# KiCad board ZX-Spectrum-Keyboard.kicad_pcb (continued)
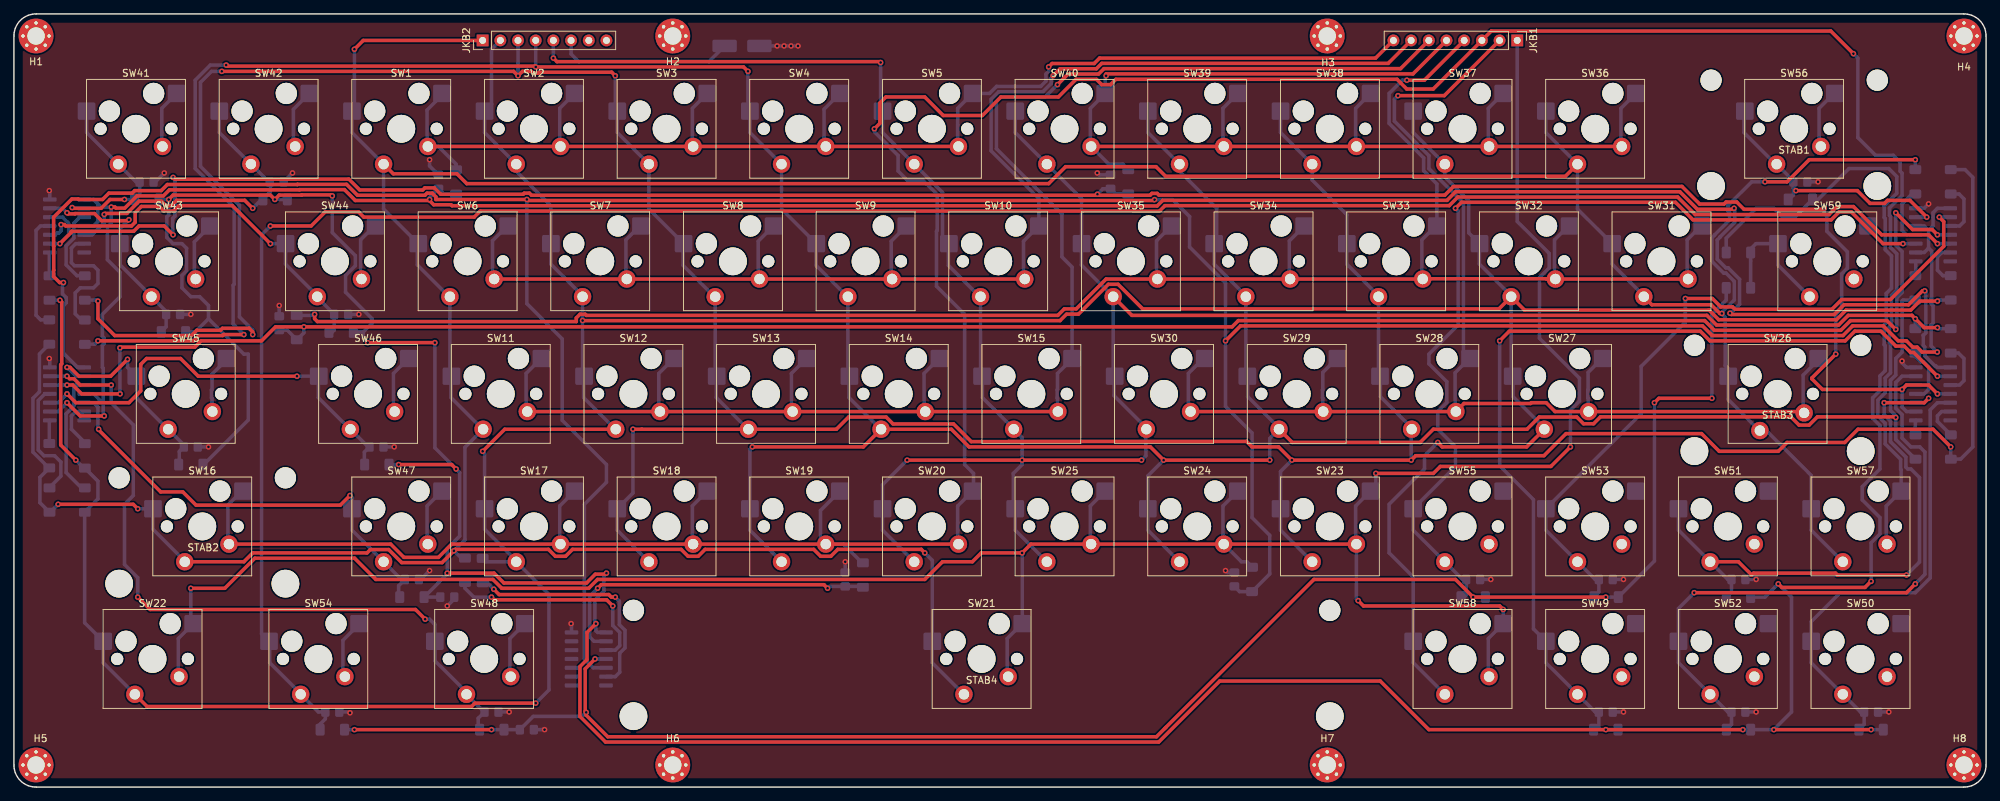
[diagram p0: board, top side]
## Nets (continued)

Pads without a net: JKB2 8; U5 8 9 10 11 12 13

## Via types
v1: diameter 0.8, hole 0.4, Top to Bottom, 177 vias

## Routing (per net, layer and track width the routed paths; a pad name or vN(x,y) marks a point on that pad's centre or on a via; arc(x,y) is an arc through that point)
GND: length 86.1
  Bottom w0.508: 49.89,73.17 49.78,73.28 49.78,78.65 51.93,80.79 ; 261.37,99.7 259.22,97.55 259.22,92.18 259.33,92.08 ; SW42.2 40.13,92.33 40.13,97.41 SW42.2 ; 47.63,15.88 47.24,16.26 47.24,21.08 49.66,23.5 ; 71.37,15.91 SW48.2 71.23,15.98 71.23,21.35 SW48.2 ; 56.64,61.59 54.5,59.45 54.5,54.08 54.61,53.98 ; 21.34,92.08 21.23,92.18 21.23,94.04 21.23,94.04 21.23,95.19 21.23,95.19 21.23,97.55 23.37,99.7 ; 28.56,53.87 28.45,53.98 28.45,55.86 28.37,55.94 28.37,57.09 28.45,57.17 28.45,59.34 30.59,61.49 ; 26.16,73.03 25.91,73.28 25.91,78.36 28.19,80.65 ; SW47.2 59.33,40.4 59.33,35.03 SW47.2
VCC: length 52.4
  Bottom w0.508: R23.2 v1(119.38,32.39) ; R21.2 155.84,88 v1(155.57,88.27) ; U4.14 274.32,83.19 v1(274.96,83.82) ; v1(271.15,61.23) 271.15,60.96 271.78,60.32 U3.14 ; U1.14 5.15,85.66 v1(5.08,85.73) ; R15.1 v1(212.09,29.84) ; R20.2 v1(38.1,69.22) ; R10.1 v1(269.24,10.8) ; v1(21.59,88.27) 20.32,87 R1.1 ; R19.2 174.26,30.84 v1(173.99,31.12) ; R22.2 59.69,89.27 v1(59.69,90.17) ; R6.1 v1(54.61,48.9) ; R12.1 v1(250.19,10.8) ; R5.1 v1(27.94,48.9) ; 38.74,87 v1(40.01,88.27) ; v1(59.69,31.12) 58.42,29.84 R7.1 ; R13.1 v1(231.14,29.84) ; U5.14 80.07,23.43 v1(80.01,23.5) ; R18.1 v1(76.2,8.25) ; R9.1 v1(231.14,10.8) ; D40.1 v1(109.6,106.53) v1(110.6,106.53) v1(111.6,106.53) v1(112.6,106.53) ; R17.1 63.23,27.04 v1(62.23,26.04) ; R8.1 v1(71.12,10.8) ; R4.1 v1(49.53,67.95) ; R3.1 v1(25.4,67.95) ; R11.1 v1(250.19,29.84) ; U2.14 5.15,61.53 v1(5.08,61.59) ; R14.1 48.14,10.8 v1(48.26,10.68) ; R16.1 v1(259.08,87)
CS0: length 551.9
  Top w0.508: v1(266.7,29.58) 265.82,28.7 253.88,28.7 v1(253.36,29.21) ; v1(62.23,30.75) 68.95,30.75 70.36,29.33 82.23,29.33 83.5,30.6 84.94,30.6 v1(85.09,30.75) ; v1(50.8,63.88) v1(60.45,63.88) ; v1(63.5,45.72) 62.87,46.36 v1(55.24,46.36) ; v1(252.73,8.25) v1(266.7,8.25) ; v1(248.28,8.25) v1(228.6,8.25) 203.2,8.25 196.22,15.24 173.16,15.24 164.39,6.48 84.96,6.48 81.28,10.16 81.28,17.31 82.3,18.33 82.3,22.21 v1(83.58,23.5) ; v1(45.72,84.97) 45.57,85.11 41.35,85.11 41.32,85.09 38.1,85.09 v1(37.47,84.46) 36.83,85.09 22.86,85.09 v1(22.23,84.46)
  Bottom w0.508: 24.61,65.41 26.04,65.41 27.94,67.31 ; v1(50.8,63.88) 50.16,64.52 50.16,65.41 ; 50.16,65.41 51.43,66.68 51.43,67.32 47.63,71.13 47.63,73.53 49.03,74.93 49.03,76.39 45.72,79.69 v1(45.72,84.97) ; 50.16,65.41 D8.2 ; v1(266.7,29.58) 266.7,35.12 267.97,36.39 267.97,38.73 265.43,41.28 265.43,43.18 267.97,45.72 267.97,51.97 266.92,53.02 266.92,55.93 267.97,56.98 267.97,59.09 268.73,59.85 268.73,63.45 268.58,63.59 268.58,66.46 268.87,66.75 268.87,70.95 269.63,71.71 269.63,76.34 268.73,77.24 268.73,81.72 268.58,81.86 268.58,83.54 270.39,85.35 270.39,87.75 269.24,88.9 263.53,88.9 259.08,84.46 D32.2 255.75,81.92 254,81.92 252.73,83.19 250.19,83.19 245.9,78.9 D42.2 ; U5.1 83.82,22.23 83.58,22.47 v1(83.58,23.5) 83.43,23.64 83.43,26.91 84.72,28.2 84.72,30.38 v1(85.09,30.75) ; v1(228.6,8.25) D21.2 ; 27.94,67.31 33.02,62.23 33.66,62.23 33.66,52.76 27.25,46.36 ; 27.94,67.31 27.94,69.22 26.67,70.48 25.4,70.48 24.13,71.76 24.13,73.54 24.79,74.2 24.79,77.44 24.13,78.11 22.85,78.11 21.96,79 21.96,81.96 22.23,82.23 v1(22.23,84.46) 20.8,84.46 ; v1(37.47,84.46) 39.21,84.46 ; v1(60.45,63.88) 60.45,48.77 v1(63.5,45.72) 64.01,45.21 64.01,36.07 62.23,34.29 v1(62.23,30.75) 62.23,30.64 D15.2 R17.2 ; v1(248.28,8.25) D24.2 v1(252.73,8.25) 255.27,10.8 255.27,27.31 v1(253.36,29.21) 251.46,27.31 D23.2 ; v1(55.24,46.36) 53.82,46.36 ; v1(266.7,8.25) D22.2
KA8: length 448.5
  Top w0.508: v1(264.16,105.41) 260.9,108.67 212.16,108.67 JKB1.3 203.82,100.33 200.01,100.33 199.12,101.22 199.12,101.23 198.63,101.72 158.24,101.72 157.48,100.97 156.21,100.97 155.45,101.72 152.52,101.72 149.98,99.18 141.73,99.18 139.06,96.52 133.46,96.52 130.8,99.18 125.22,99.18 124.35,98.32 124.35,95.4 v1(123.57,94.62) ; SW20.2 SW19.2 SW18.2 SW17.2 62.87,34.93 60.96,33.02 56,33.02 54.1,34.93 SW16.2
  Bottom w0.508: v1(264.16,105.41) 264.8,104.78 264.8,93.34 267.34,90.81 269.88,90.81 270.86,89.82 270.86,88.51 271.15,88.23 271.15,85.03 269.34,83.23 269.34,82.18 269.48,82.03 269.48,77.56 270.39,76.65 270.39,71.39 269.63,70.63 269.63,66.44 269.34,66.15 269.34,63.9 269.48,63.76 269.48,59.54 268.73,58.78 268.73,56.67 267.68,55.62 267.68,53.34 268.73,52.29 268.73,49.33 270.94,47.11 270.94,45.68 271.02,45.6 SW57.2 268.88,40.4 268.88,35.03 SW57.2 ; 32.88,42.69 30.73,40.55 30.73,35.18 30.84,35.07 ; 121.92,32.1 119.1,34.93 SW19.2 115.82,35.68 115.82,39.75 118.62,42.55 ; 135.64,34.93 135.53,35.03 135.53,36.89 135.53,40.4 137.67,42.55 ; v1(123.57,94.62) 123.57,94.18 126.97,90.78 126.97,88.55 128.27,87.25 130.5,87.25 132.59,85.16 132.59,80.01 132.49,79.9 132.49,71.98 136.53,67.95 136.53,46.36 137.79,45.09 137.79,42.67 SW20.2 ; 78.49,35.07 78.38,35.18 78.38,40.4 SW17.2 ; SW18.2 97.43,35.03 97.43,40.4 SW18.2
KA9: length 226.2
  Top w0.508: SW15.2 SW14.2 SW13.2 SW12.2 SW11.2 ; JKB1.6 199.13,103.26 156.53,103.26 155.75,102.48 151.38,102.48 v1(149.86,100.97)
  Bottom w0.508: 152,61.59 149.86,59.45 149.86,57.13 149.81,57.09 149.81,55.94 149.86,55.9 149.86,54.08 149.97,53.98 ; 113.79,61.59 111.65,59.45 111.65,54.08 111.76,53.98 ; 92.71,53.98 92.6,54.08 92.6,59.45 94.74,61.59 ; v1(149.86,100.97) 148.08,99.18 141.73,99.18 141.09,98.55 141.09,91.75 150.5,82.35 150.5,76.2 151.95,74.74 SW15.2 ; 132.84,61.59 130.7,59.45 130.7,54.08 130.81,53.98 ; 73.66,53.98 73.55,54.08 73.55,59.45 75.69,61.59
KA10: length 204.3
  Top w0.508: v1(149.22,102.24) 150.23,103.24 155.44,103.24 156.22,104.02 197.35,104.02 JKB1.7 ; SW6.2 SW7.2 SW8.2 SW9.2 SW10.2
  Bottom w0.508: 126.09,72.97 125.98,73.08 125.98,78.45 128.13,80.59 ; 90.03,80.79 87.88,78.65 87.88,73.28 87.99,73.17 ; 70.87,80.66 68.72,78.52 68.72,73.15 68.83,73.04 ; 145.09,72.97 144.98,73.08 144.98,78.45 147.12,80.59 ; v1(149.22,102.24) 148.96,101.97 148.96,101.13 147.77,99.94 141.42,99.94 140.34,98.86 140.34,91.44 147.19,84.58 SW10.2 ; 109.02,80.59 106.88,78.45 106.88,73.08 106.99,72.97
KA11: length 189.6
  Top w0.508: SW5.2 SW4.2 SW3.2 SW2.2 SW1.2 ; v1(148.59,103.5) 149.08,104 155.13,104 155.9,104.78 195.54,104.78 198.08,107.31 JKB1.8
  Bottom w0.508: SW5.2 135.53,92.18 135.53,95.19 135.53,95.19 135.53,97.55 137.67,99.7 ; SW2.2 78.38,97.55 78.38,92.18 SW2.2 ; SW3.2 97.43,92.18 97.43,97.55 SW3.2 ; SW5.2 140.1,99.7 141.1,100.7 147.45,100.7 148.2,101.45 148.2,102.49 148.59,102.88 v1(148.59,103.5) ; 116.59,92.08 116.33,92.33 116.33,97.41 SW4.2 ; 63.5,88.75 63.5,89.53 60.96,92.08 SW1.2 59.33,92.18 59.33,97.3 61.47,99.44 SW1.2
KA12: length 179.6
  Top w0.508: SW36.2 SW37.2 SW38.2 SW39.2 SW40.2 ; JKB1.5 200.91,102.5 156.84,102.5 v1(156.84,102.24)
  Bottom w0.508: 173.63,92.18 SW39.2 173.63,92.18 ; 173.63,92.18 173.63,97.55 SW39.2 ; SW36.2 230.78,97.55 230.78,92.18 SW36.2 ; SW37.2 211.73,92.18 211.73,97.55 SW37.2 ; SW38.2 192.68,97.55 192.68,92.18 SW38.2 ; D35.1 159.23,89.53 157.23,89.53 SW40.2 154.58,92.18 154.58,97.55 SW40.2 156.72,102.11 v1(156.84,102.24)
KA13: length 282.3
  Top w0.508: SW31.2 SW32.2 220.09,73.02 220.05,73.06 202.35,73.06 SW33.2 SW34.2 SW35.2 156.85,73.02 152.55,68.73 150.84,68.73 149.91,67.8 82.2,67.8 82.03,67.96 81.29,67.96 80.76,67.43 80.76,66.91 43.58,66.91 43.18,67.31 v1(43.18,67.95) ; JKB1.4 202.55,101.6 v1(200.03,101.6)
  Bottom w0.508: 221.34,73.17 221.23,73.28 221.23,78.65 223.38,80.79 ; v1(43.18,67.95) 43.02,67.79 40.64,67.79 ; 202.29,73.17 202.18,73.28 202.18,78.65 204.33,80.79 ; SW33.2 204.34,86.69 202.44,88.59 202.44,90.44 197.48,95.39 197.48,99.7 199.39,101.6 v1(200.03,101.6) ; 166.23,80.66 164.08,78.52 164.08,73.15 164.19,73.04 ; 183.37,73.04 183.15,73.26 183.15,78.5 SW34.2 ; 240.39,73.17 240.28,73.28 240.28,78.65 242.43,80.79
KA14: length 192.8
  Top w0.508: SW26.2 256.89,53.97 SW27.2 221.31,53.97 220.04,55.25 217.91,55.25 217.8,55.14 208.23,55.14 SW28.2 SW29.2 SW30.2 ; v1(198.75,99.38) 205.41,99.38 JKB1.2
  Bottom w0.508: 209.15,61.74 206.96,59.55 206.96,54.08 SW28.2 207.12,54.02 207.12,54.12 ; 170.8,61.59 168.66,59.45 168.66,54.08 168.77,53.98 ; 190.1,61.74 187.96,59.6 187.96,57.13 187.91,57.09 187.91,55.94 187.96,55.9 187.96,54.23 188.07,54.12 ; 228.2,61.74 226.06,59.6 226.06,57.13 226.01,57.09 226.01,55.94 226.06,55.9 226.06,54.23 226.17,54.12 ; 259.08,61.34 256.94,59.2 256.94,53.83 257.05,53.72 ; SW28.2 208.16,62.54 208.16,83.94 203.2,88.9 203.2,90.75 198.24,95.71 198.24,98.87 v1(198.75,99.38)
KA15: length 373.6
  Top w0.508: v1(193.04,26.8) 193.8,26.04 213.36,26.04 v1(213.87,25.53) ; v1(223.52,48.9) 220.71,46.09 204.84,46.09 203.84,45.09 v1(195.58,45.09) ; v1(25.4,28.58) 30.28,28.58 34.6,32.9 48.92,32.9 51.97,29.84 68.78,29.84 70.05,28.58 82.54,28.58 83.81,29.84 130.81,29.84 133.35,32.39 137.64,32.39 138.91,33.66 v1(144.78,33.66) 146.05,34.93 SW25.2 SW24.2 SW23.2
  Bottom w0.508: v1(195.58,45.09) 195.58,43.31 SW23.2 192.68,40.4 192.68,35.03 SW23.2 192.79,27.05 v1(193.04,26.8) ; SW25.2 154.58,35.03 154.58,40.4 SW25.2 ; v1(223.52,48.9) 223.52,54.18 224.82,55.48 224.82,58.76 219.07,64.5 219.07,73.22 220.48,74.62 220.48,76.7 215.88,81.3 JKB1.1 ; SW21.2 144.81,33.63 v1(144.78,33.66) ; D33.1 177.8,31.65 177.07,32.39 176.28,32.39 SW24.2 173.63,35.03 173.63,40.4 SW24.2 ; SW58.2 211.73,15.98 211.73,21.35 SW58.2 v1(213.87,25.53) ; 142.75,15.88 142.64,15.98 142.64,21.35 144.78,23.5 ; SW22.2 23.61,15.98 23.61,21.35 SW22.2 25.4,23.84 v1(25.4,28.58)
KAR8: length 48.8
  Top w0.508: v1(83.82,28.58) 84.33,29.09 116.33,29.09 v1(116.84,28.58)
  Bottom w0.508: v1(83.82,28.58) 82.67,27.43 82.67,21.59 83.31,20.96 U5.2 ; v1(116.84,28.58) 117.11,28.84 R23.1 121.68,28.84 121.92,28.6
KAR11: length 358.9
  Top w0.508: v1(246.43,68.11) 246.62,67.93 261.4,67.93 262.8,69.32 272.07,69.32 274.08,71.33 v1(274.4,71.33) ; v1(12.97,53.34) 9.52,53.34 v1(7.62,55.25) ; v1(247.02,83.19) 246.88,83.04 241.76,83.04 239.23,85.57 207.04,85.57 205.8,84.33 164.97,84.33 164.17,83.53 161.2,83.53 161.17,83.55 62.92,83.55 62.77,83.7 60.28,83.7 59.69,84.29 v1(59.69,84.45) 59.54,84.31 49.02,84.31 47.46,85.87 41.03,85.87 41.01,85.84 22.34,85.84 21.46,84.97 17.67,84.97 15.91,83.21 14.66,83.21 14.51,83.36 v1(13.98,83.36)
  Bottom w0.508: v1(12.97,53.34) 12.82,53.49 12.82,60.2 12.7,60.33 12.7,63.49 12.97,63.76 12.97,64.51 12.7,64.78 12.7,67.95 15.24,70.48 15.24,73.99 13.42,75.8 13.42,80.49 13.98,81.05 v1(13.98,83.36) 12.53,83.36 11.43,84.46 ; 274.2,64.93 274.2,64.93 274.56,65.29 274.56,71.16 v1(274.4,71.33) ; 274.2,64.93 274.2,64.96 ; 274.2,64.93 274.2,63.46 274.4,63.25 274.4,62.01 275.89,60.53 276,60.53 276.2,60.32 278.06,60.32 ; v1(246.43,68.11) 246.55,68.11 247.81,69.38 247.81,72.99 246.17,74.63 245.85,74.63 244.6,75.88 244.6,78.63 244.98,79.01 244.98,79.05 247.11,81.18 247.11,83.1 v1(247.02,83.19) ; v1(7.62,55.25) 6.35,53.97 U2.9 ; U1.4 11.43,80.65 12.07,81.28 12.07,83.82 11.43,84.46 ; U2.4 11.43,56.51 12.82,55.12 ; U1.1 11.43,84.46 ; 63.5,85.25 61.71,85.25 R22.1 59.69,84.73 v1(59.69,84.45)
KAR12: length 336.8
  Top w0.508: v1(6.6,78.11) 8.18,79.68 8.18,79.78 8.28,79.89 17.2,79.89 17.96,80.65 21.59,80.65 v1(22.86,79.38) ; v1(259.98,83.19) 259.83,83.04 248.45,83.04 247.4,84.09 245.87,84.09 245.58,83.8 242.07,83.8 239.55,86.33 206.73,86.33 205.49,85.08 164.42,85.08 164.17,85.33 163.43,85.33 163.16,85.07 155.75,85.07 v1(155.6,85.21) 155.45,85.07 74.33,85.07 74.03,85.36 73.29,85.36 73.14,85.21 61.28,85.21 60.38,86.12 59,86.12 58.71,85.83 49.65,85.83 48.09,87.39 40.41,87.39 40.38,87.36 23.13,87.36 v1(22.86,87.63) ; v1(261.62,62.23) 258.21,58.82 258.21,58.66 259.72,57.15 v1(271.15,57.15) 271.78,57.79 274.96,57.79 v1(276.23,56.52)
  Bottom w0.508: D35.2 158.23,85.25 R21.1 156.38,86 v1(155.6,85.21) ; U3.9 271.78,53.97 271.15,54.61 v1(271.15,57.15) 271.78,57.78 U3.12 ; 278.06,56.51 276.23,56.51 v1(276.23,56.52) ; U1.9 v1(6.6,78.11) 7.86,79.36 7.86,81.03 6.98,81.92 U1.12 ; v1(22.86,79.38) 22.8,79.44 22.8,81.73 23.13,82.06 23.13,87.36 v1(22.86,87.63) ; v1(261.62,62.23) 261.62,67.95 262.47,68.79 262.47,73.75 263.29,74.58 263.29,76.93 260.35,79.88 260.35,82.05 259.98,82.42 v1(259.98,83.19)
KAR13: length 307.6
  Top w0.508: v1(270.24,82.55) 272.66,80.13 275.47,80.13 v1(276.23,79.38) ; v1(7.62,57.79) 8.45,57.79 9.72,56.52 v1(15.24,56.52) ; v1(15.22,63.14) 15.32,63.23 25.97,63.23 26.88,64.14 35.56,64.14 37.58,66.15 v1(41.64,66.15) 174.93,66.15 175.83,67.04 242.8,67.04 244.19,65.65 262.34,65.65 263.74,67.04 268.97,67.04 v1(270.24,65.77)
  Bottom w0.508: v1(15.22,63.14) 15.22,56.53 v1(15.24,56.52) ; v1(270.24,82.55) 270.24,77.87 271.15,76.97 271.15,71.08 270.39,70.32 270.39,65.92 v1(270.24,65.77) ; v1(7.62,57.78) U2.12 ; v1(41.64,66.15) 41.64,65.29 40.64,64.29 39.25,65.68 R20.1 ; 278.06,79.38 v1(276.23,79.38)
KAR15: length 464.5
  Top w0.508: v1(7.11,72.52) 6.56,72.52 5.7,73.38 5.7,74.28 5.71,74.3 5.71,77.72 5.7,77.73 5.7,81.91 8.32,84.53 9.23,84.53 9.3,84.46 12.72,84.46 13.63,85.36 16.99,85.36 17.35,85.73 21.14,85.73 22.02,86.6 40.69,86.6 40.72,86.63 47.77,86.63 49.33,85.07 59.02,85.07 59.32,85.36 60.06,85.36 60.59,84.83 60.59,84.46 v1(73.66,84.46) 73.81,84.31 163.68,84.31 v1(163.8,84.43) ; v1(276.2,62.53) 274.03,62.53 273.32,63.23 272.68,63.23 271.77,64.14 270.6,64.14 268.45,66.29 264.05,66.29 262.66,64.89 243.88,64.89 242.48,66.29 176.14,66.29 v1(173.99,64.14)
  Bottom w0.508: 274.96,77.47 274.32,76.84 U4.9 ; 274.96,77.47 275.4,77.03 275.4,70.3 275.32,70.22 275.32,69.48 275.6,69.2 275.6,66.69 275.32,66.41 275.32,63.4 v1(276.2,62.53) ; 274.96,77.47 274.96,80.01 ; v1(7.11,72.52) 6.98,72.38 6.98,70.88 7.51,70.35 7.51,69.6 7.11,69.21 7.11,62.36 9.14,60.32 U2.1 ; v1(163.8,84.43) 166.4,84.43 168.83,81.99 168.83,77.62 173.99,72.46 v1(173.99,64.14) 173.99,54.72 177.8,50.91 177.8,38.73 180.34,36.2 180.34,30.64 D33.2 176.01,28.09 R19.1 ; 278.06,83.19 276.23,83.19 275.59,82.55 275.59,80.65 274.96,80.01 ; 274.96,80.01 274.32,80.65 U4.12 ; v1(73.66,84.46) 73.66,69.48 78.74,64.4 78.74,52.71 85.09,46.36 85.09,43.82 81.91,40.64 81.91,18.42 83.19,17.15 U5.5
KD0: length 602.1
  Top w0.508: v1(6.35,40.64) 17.15,40.64 v1(17.78,40.01) ; SW16.1 33.02,32.39 34.29,33.66 50.7,33.66 51.19,34.14 53.81,34.14 55.69,32.26 61.48,32.26 v1(63.19,33.97) 63.38,34.17 76.76,34.17 77.76,33.17 79.21,33.17 80.21,34.17 95.81,34.17 96.81,33.17 98.26,33.17 99.26,34.17 114.86,34.17 115.86,33.17 117.31,33.17 118.31,34.17 130.3,34.17 v1(130.81,33.66) ; JKB2.1 50.16,107.31 v1(48.9,106.05) ; v1(245.27,68.07) 244.99,68.07 243.74,69.32 235.23,69.32 SW31.1 ; v1(251.46,87) 254.64,87 257.81,90.17 v1(273.05,90.17) ; SW1.1 54.48,88.15 63.62,88.15 65.04,86.73 148.59,86.73 151.03,89.17 164.01,89.17 165.39,87.78 222.78,87.78 SW36.1
  Bottom w0.508: 246.44,59.05 SW26.1 246.18,60.13 245.74,60.57 245.74,67.52 245.27,68 v1(245.27,68.07) ; 57.94,78.12 57.94,75.04 62.48,70.5 ; 67.31,51.44 62.77,55.98 62.77,59.06 ; v1(48.9,106.05) 48.9,97.51 SW1.1 48.54,94.08 SW1.1 53.09,83.08 SW6.1 ; SW57.1 258.09,36.93 258.09,40.01 ; SW21.1 131.88,32.58 v1(130.81,33.66) ; v1(245.27,68.07) 245.27,68.23 247.05,70.01 247.05,72.67 245.86,73.87 245.53,73.87 243.84,75.56 243.84,78.94 244.22,79.33 244.22,79.36 246.36,81.49 246.36,82.58 246.12,82.81 246.12,83.56 249.55,87 v1(251.46,87) ; v1(245.27,68.07) 245.28,68.08 ; 136.4,13.34 131.85,17.88 131.85,20.96 ; v1(17.78,40.01) SW16.1 ; 250.7,51.18 246.15,55.73 246.15,58.8 ; v1(6.35,40.64) 5.24,39.53 5.08,39.53 3.73,40.88 3.73,44.52 D10.2 5,45.88 2.73,48.14 2.73,55.88 3.67,56.81 3.67,62.24 D3.2 ; SW6.1 62.61,59.27 SW11.1 ; 19.95,40.15 19.95,37.07 24.49,32.53 ; SW36.1 219.99,97.15 219.99,94.08 SW36.1 224.54,83.08 SW31.1 ; SW57.1 258.09,44.8 251.65,51.24 SW26.1 ; v1(273.05,90.17) D28.2 ; 64.77,32.87 64.29,32.87 v1(63.19,33.97) 64.77,35.55 64.77,48.83 SW11.1 ; 229.5,78.25 229.5,75.17 234.04,70.63
KD1: length 569.8
  Top w0.508: v1(204.47,49.53) 205.1,48.9 217.23,48.9 SW27.1 ; v1(8.89,46.99) 6.72,49.16 6.72,60.7 6.86,60.85 6.86,69.72 v1(6.6,69.98) ; SW12.1 70.48,51.43 v1(67.31,48.26) ; v1(74.93,12.07) 66.2,12.07 65.72,11.58 19.12,11.58 SW22.1 ; v1(276.23,69.85) 273.68,69.85 272.39,68.56 263.11,68.56 261.72,67.17 244.82,67.17 243.43,68.56 216.94,68.56 SW32.1 213.26,68.73 162.09,68.73 158.56,72.27 157.16,72.27 152.87,67.97 151.16,67.97 150.23,67.04 81.67,67.04 v1(81.66,67.06)
  Bottom w0.508: SW58.1 200.94,17.88 SW58.1 200.94,30.2 197.48,33.66 197.48,40.64 202.56,45.72 202.56,47.62 v1(204.47,49.53) ; SW7.1 v1(81.66,67.06) 81.66,59.27 SW12.1 ; v1(276.23,69.85) 276.38,70.01 D26.2 ; SW17.1 67.59,47.98 v1(67.31,48.26) ; 81.64,70.63 77.1,75.17 77.1,78.25 ; SW2.1 68.58,98.15 68.58,106.05 JKB2.2 ; 214.99,70.63 210.45,75.17 210.45,78.25 ; D39.2 67.79,32.39 SW17.1 76.84,27.69 76.84,13.97 v1(74.93,12.07) ; 72.14,32.53 67.59,37.07 67.59,40.15 ; v1(8.89,46.99) 10.01,45.88 10.16,45.88 12.07,43.97 12.07,41.43 10.16,39.53 10.16,23.62 SW22.1 12.82,17.88 SW22.1 ; 81.81,59.06 81.81,55.98 86.36,51.44 ; 219.82,51.58 215.27,56.12 215.27,59.2 ; SW32.1 208.91,79.66 208.91,84.26 205.49,87.69 SW37.1 200.94,94.08 SW37.1 ; 5.08,70.01 5.11,69.98 v1(6.6,69.98) ; SW32.1 215.01,59.27 SW27.1 ; SW7.1 77.12,83.54 72.14,88.52 SW2.1 67.59,94.08 67.59,97.16
KD2: length 535.6
  Top w0.508: v1(278.13,48.9) 275.59,51.44 264.82,51.44 262.91,49.53 254.64,49.53 253.36,48.26 244.89,48.26 242.35,50.8 222.88,50.8 219.71,47.62 201.29,47.62 v1(200.66,46.99) v1(183.51,46.99) 181.61,48.9 177.8,48.9 177.01,49.68 142.85,49.68 142.82,49.65 137.47,49.65 134.93,52.19 126.24,52.19 125.25,53.19 119.86,53.19 118.11,51.43 SW13.1 90.17,51.43 v1(88.9,51.44) ; v1(12.07,69.85) 12.07,67.31 14.48,64.89 25.49,64.89 26.25,65.65 29.65,65.65 29.95,65.94 33.76,65.94 34.29,65.41 v1(34.29,65.04) ; v1(86.36,102.24) 85.85,102.75 75.45,102.75 75.3,102.6 74.56,102.6 74.29,102.87 73.03,102.87 v1(72.39,102.24) 71.75,102.87 v1(29.84,102.87)
  Bottom w0.508: SW18.1 86.64,36.93 SW18.1 88.9,42.26 v1(88.9,51.44) ; v1(12.07,69.85) 11.91,70.01 10.16,70.01 ; 100.87,59.06 100.87,55.98 105.41,51.44 ; 196.22,59.2 196.22,56.12 200.77,51.58 ; v1(200.66,46.99) 200.66,51.37 SW28.1 ; 181.89,97.16 SW38.1 181.89,94.08 SW38.1 186.44,87.25 191.42,82.27 SW33.1 ; 100.64,70.43 96.09,74.98 96.09,78.05 ; v1(183.51,46.99) 181.89,45.37 SW23.1 181.89,36.93 SW23.1 ; v1(29.84,102.87) 28.38,102.87 26.79,101.29 26.79,89.21 32.38,83.62 32.38,67.59 34.29,65.68 v1(34.29,65.04) ; v1(278.13,48.9) 278.13,47.15 279.56,47.15 281.31,48.9 281.31,87.63 280.19,88.75 D25.2 ; JKB2.3 v1(72.39,102.24) ; 191.4,78.25 191.4,75.17 195.94,70.63 ; SW28.1 195.96,59.27 SW33.1 ; v1(86.36,102.24) 86.36,97.44 SW3.1 86.64,94.08 SW3.1 91.19,83.08 SW8.1 ; SW8.1 100.71,59.27 SW13.1
KD3: length 498.4
  Top w0.508: v1(12.07,64.14) 25.81,64.14 26.56,64.89 29.97,64.89 30.11,65.04 v1(33.02,65.04) ; SW29.1 183.57,49.53 201.93,49.53 203.84,51.44 217.29,51.44 219.05,53.19 224.43,53.19 225.4,52.22 226.85,52.22 227.84,53.22 255.16,53.22 256.35,52.03 257.8,52.03 258.99,53.22 270.15,53.22 v1(270.24,53.12) ; v1(30.48,103.77) 30.63,103.63 74.81,103.63 v1(74.93,103.5) 104.78,103.5 v1(105.41,102.87) ; v1(180.34,46.99) v1(165.1,46.99) 163.19,48.9 137.16,48.9 134.62,51.43 SW14.1 121.98,48.9 v1(106.04,48.9)
  Bottom w0.508: 177.17,59.2 177.17,56.12 181.72,51.58 ; 119.74,70.43 115.2,74.98 115.2,78.05 ; v1(105.41,102.87) 105.41,97.43 SW4.1 105.69,97.15 105.69,94.08 SW4.1 110.23,83.09 SW9.1 ; v1(12.07,64.14) 11.59,63.66 10.16,63.66 ; 172.48,78.12 172.37,78 172.37,75.16 176.91,70.61 SW34.1 176.91,59.27 SW29.1 ; SW29.1 180.34,50.1 v1(180.34,46.99) ; SW24.1 162.84,36.93 SW24.1 162.84,44.73 v1(165.1,46.99) ; D27.2 271.3,70.01 271.15,69.85 271.15,62.51 270.24,61.6 270.24,59.22 269.48,58.46 269.48,54.13 270.24,53.37 270.24,49.95 273.05,47.15 ; SW39.1 162.84,94.08 SW39.1 167.39,88.52 172.72,83.19 172.72,78.46 SW34.1 ; v1(30.48,103.77) 28.21,103.77 26.04,101.6 26.04,88.9 31.63,83.31 31.63,72.28 31.48,72.13 31.48,66.58 v1(33.02,65.04) ; 110.24,32.39 105.69,36.93 105.69,40.01 ; v1(106.04,48.9) 105.69,48.54 SW19.1 ; SW9.1 119.76,59.27 SW14.1 ; 124.46,51.44 119.91,55.98 119.91,59.06 ; JKB2.4 v1(74.93,103.5)
KD4: length 367.2
  Top w0.508: v1(128.27,46.99) v1(144.78,46.99) v1(161.92,46.99) ; SW35.1 160.54,67.8 243.11,67.8 244.5,66.41 262.03,66.41 263.42,67.8 272.56,67.8 v1(273.05,67.31) 274.32,66.04 v1(276.23,66.04) ; v1(124.46,104.14) 124.34,104.26 77.98,104.26 v1(77.47,104.78)
  Bottom w0.508: SW25.1 143.79,36.93 143.79,40 SW25.1 143.51,40.29 143.51,45.09 144.78,46.36 v1(144.78,46.99) 144.78,50.23 SW15.1 ; JKB2.5 v1(77.47,104.78) ; 153.3,78.12 153.3,75.04 157.84,70.5 ; v1(273.05,67.31) D20.2 ; 143.79,97.16 143.79,94.08 SW40.1 153.32,84.56 SW35.1 ; 129.29,32.39 124.74,36.93 SW20.1 124.74,43.46 v1(128.27,46.99) ; D17.2 276.38,65.89 v1(276.23,66.04) ; 139.07,59.06 139.07,55.98 143.62,51.44 ; v1(124.46,104.14) 124.46,97.43 SW5.1 124.74,94.08 129.29,89.53 ; SW35.1 157.86,59.27 SW30.1 157.99,58.97 157.99,56.26 162.62,51.63 SW30.1 162.56,51.37 162.56,47.62 v1(161.92,46.99) ; SW10.1 133.35,79.02 133.35,85.47 SW5.1 ; 134.19,78.05 134.19,74.98 138.74,70.43 ; SW15.1 138.81,59.27 SW10.1
SS0: length 263.4
  Top w0.508: v1(235.59,55.25) 236.22,55.88 v1(243.84,55.88) ; 165.22,8.38 186.69,29.84 207.01,29.84 v1(209.55,27.31) v1(228.6,27.31) ; v1(83.45,18.42) 82.04,17 82.04,10.88 v1(82.18,10.74) 82.18,10.33 85.28,7.24 164.08,7.24 165.48,8.64 ; v1(48.9,8.25) v1(68.58,8.25)
  Bottom w0.508: v1(243.84,55.88) 243.84,67.95 245.9,70.01 D41.2 ; D29.2 235.59,32.5 v1(235.59,55.25) ; v1(68.58,8.25) R18.2 74.56,10.16 81.61,10.16 v1(82.18,10.74) ; 230.35,27.31 v1(228.6,27.31) ; v1(209.55,27.31) D31.2 ; D30.2 v1(48.9,8.25) ; U5.4 v1(83.45,18.42)
Net-(D1-K): length 11.6
  Bottom w0.508: U1.3 9.47,81.92 8.62,81.07 8.62,78.9 7.5,77.78 7.5,75.05 9.05,73.5 10.16,73.5
Net-(D2-K): length 18.9
  Bottom w0.508: 10.16,67.16 9.68,67.16 8.81,68.03 8.81,71.04 9.52,71.76 11.43,71.76 12.07,72.39 12.07,74.3 11.43,74.93 8.69,74.93 8.26,75.37 8.26,77.47 8.89,78.11 U1.6
Net-(D3-K): length 16.6
  Bottom w0.508: D3.1 3.84,67.16 3.18,67.82 3.18,80.01 3.81,80.65 U1.11
Net-(D4-K): length 3.4
  Bottom w0.508: 5.08,73.5 5.08,76.77 U1.8
Net-(D5-K): length 27.8
  Top w0.508: v1(8.36,83.29) 8.47,83.19 12.53,83.19 13.8,84.46 v1(15.88,84.46)
  Bottom w0.508: 14.99,89.53 10.44,94.08 SW41.1 ; U1.2 8.47,83.19 v1(8.36,83.29) ; SW41.1 17.52,87 R1.2 18.05,85.21 17.3,84.46 v1(15.88,84.46)
Net-(D6-K): length 46.2
  Top w0.508: v1(34.29,83.19) 33.15,84.33 23.38,84.33 22.6,83.55 21.85,83.55 21.19,84.21 17.98,84.21 16.22,82.45 13.12,82.45 v1(12.97,82.31)
  Bottom w0.508: 29.49,97.16 29.49,94.08 SW42.1 36.58,87 R2.2 36.83,86.9 36.83,85.57 35.72,84.46 35.56,84.46 v1(34.29,83.19) ; v1(12.97,82.31) 12.97,81.11 11.23,79.38 U1.5
Net-(D7-K): length 32
  Top w0.508: v1(16.51,81.55) 16.36,81.4 12.59,81.4 11.57,82.43 8.78,82.43 8.74,82.39 7.78,82.39 v1(7.62,82.55)
  Bottom w0.508: 15.24,78.1 SW43.1 15.2,80.24 v1(16.51,81.55) ; 21.11,65.41 21.86,66.16 R3.2 21.86,68.37 SW43.1 ; 15.27,78.11 15.27,75.03 19.81,70.48 ; v1(7.62,82.55) 6.98,83.19 U1.13
Net-(D8-K): length 56.1
  Top w0.508: v1(36.83,78.11) 36.82,78.11 31.36,83.57 23.69,83.57 22.91,82.79 21.54,82.79 20.88,83.45 18.29,83.45 17.41,82.57 17.41,81.17 16.88,80.64 7.44,80.64 7.24,80.85 v1(6.77,80.85)
  Bottom w0.508: SW44.1 43.56,70.37 R4.2 45.99,65.68 45.72,65.41 D8.1 ; 43.54,70.63 39,75.17 39,78.25 ; U1.10 5.97,79.38 6.23,79.64 6.44,79.64 6.77,79.97 v1(6.77,80.85) ; v1(36.83,78.11) SW44.1
Net-(D9-K): length 17.8
  Bottom w0.508: 10.16,43.03 9.68,43.03 7.5,45.21 7.5,53.65 8.58,54.73 ; U2.3 8.89,57.78 8.62,57.51 8.62,54.82
Net-(D10-K): length 3.4
  Bottom w0.508: U2.8 5.08,52.64 D10.1
Net-(D11-K): length 6.9
  Bottom w0.508: U2.6 8.89,53.97 8.26,53.34 8.26,51.44 10.16,49.53 10.16,49.38
Net-(D12-K): length 17.5
  Bottom w0.508: 5.08,43.03 6.74,44.68 6.74,46.72 5.84,47.62 4.32,47.62 3.49,48.45 3.49,55.56 4.44,56.51 U2.11
Net-(D13-K): length 32
  Top w0.508: v1(7.62,60.33) 8.06,60.33 9.33,59.06 13.89,59.06 v1(16.31,61.48)
  Bottom w0.508: 17.66,58.95 17.66,55.87 22.21,51.33 ; 23.75,46.36 23.75,48.24 R5.2 24.4,49.18 SW45.1 ; v1(7.62,60.33) 7.63,60.33 8.9,59.05 U2.2 ; SW45.1 16.31,60.32 v1(16.31,61.48)
Net-(D14-K): length 61.8
  Top w0.508: v1(7.62,56.52) 7.63,56.52 8.9,55.25 16.51,55.25 18.21,56.94 18.21,60.75 19.05,61.59 23.93,61.59 26.47,59.06 v1(40.64,59.06)
  Bottom w0.508: U2.10 6.34,55.24 7.61,56.52 v1(7.62,56.52) ; SW46.1 v1(40.64,59.05) ; 43.71,59.06 43.71,55.98 48.26,51.44 ; 50.32,46.36 50.32,48.15 R6.2 50.86,48.9 SW46.1
Net-(D15-K): length 65.3
  Top w0.508: v1(48.26,41.91) 46.87,40.52 26.16,40.52 24.25,42.42 21.08,42.42 12.16,51.34 v1(12.16,51.44)
  Bottom w0.508: D15.1 55.24,27.46 55.24,28.94 R7.2 55.63,29.84 SW47.1 48.54,36.93 SW47.1 48.54,41.63 v1(48.26,41.91) ; v1(12.16,51.44) 12.07,51.53 12.07,54.61 11.43,55.24 U2.5
Net-(D16-K): length 105.2
  Top w0.508: v1(7.62,59.05) 7.99,58.69 8.62,58.69 9.52,57.79 v1(13.97,57.79) ; v1(59.05,24.13) 57.66,25.52 19.56,25.52 v1(17.78,27.31)
  Bottom w0.508: 66.83,8.25 66.68,8.41 66.68,9.89 R8.2 ; v1(13.97,57.79) 13.97,55.24 17.15,52.06 17.15,41.91 15.88,40.64 15.88,32.01 17.78,30.1 v1(17.78,27.31) ; v1(7.62,59.05) U2.13 ; v1(59.05,24.13) 59.69,24.13 60.45,23.37 SW48.1 60.48,20.92 60.48,18.13 64.99,13.62 SW48.1 67.53,10.8
Net-(D17-K): length 7.6
  Bottom w0.508: 278.06,57.78 279.4,57.78 280.04,58.42 280.04,61.59 279.25,62.39 D17.1
Net-(D18-K): length 5.6
  Bottom w0.508: 278.06,53.97 276.83,53.97 276.23,53.37 276.23,52.55 278.13,50.65
Net-(D19-K): length 2.1
  Bottom w0.508: 273.05,50.65 273.05,52.64 U3.8
Net-(D20-K): length 8.4
  Bottom w0.508: U3.11 274.32,56.51 274.96,57.15 274.96,60.39 274.22,61.13 273.8,61.13 273.05,61.88 D20.1
Net-(D21-K): length 131.8
  Top w0.508: v1(276.23,59.06) 272.81,62.47 272.36,62.47 271.46,63.38 270.25,63.38 268.1,65.53 264.37,65.53 262.97,64.14 243.56,64.14 242.17,65.53 214.75,65.53 v1(213.36,64.14)
  Bottom w0.508: D21.1 227.33,8.25 227.6,8.53 R9.2 227.08,10.8 SW49.1 219.99,17.88 219.99,20.96 ; SW49.1 218.21,22.73 218.21,41.32 213.36,46.17 v1(213.36,64.14) ; 278.06,59.05 276.23,59.05 v1(276.23,59.06)
Net-(D22-K): length 66.4
  Bottom w0.508: SW50.1 258.09,23.78 262.25,27.94 273.06,27.94 275.18,30.07 275.18,54.2 276.22,55.24 278.06,55.24 ; 258.09,20.96 258.09,17.88 SW50.1 265.18,10.8 R10.2 265.7,9.01 D22.1
Net-(D23-K): length 82.3
  Top w0.508: v1(274.96,55.88) 274.33,55.25 v1(268.58,55.25) ; v1(271.78,30.48) 261.87,30.48 261.6,30.75 249.82,30.75 249.55,30.48 247.65,32.39 SW51.1
  Bottom w0.508: U3.10 274.33,55.24 v1(274.96,55.88) ; v1(271.78,30.48) 273.65,32.35 273.65,44.49 272.42,45.72 271.97,45.72 271.7,45.99 271.7,47.43 269.48,49.64 269.48,52.6 268.58,53.5 v1(268.58,55.25) ; SW51.1 239.04,36.93 SW51.1 246.13,29.84 R11.2 246.65,28.06 D23.1
Net-(D24-K): length 91.9
  Top w0.508: v1(273.05,29.21) 271.78,27.94 v1(241.3,27.94)
  Bottom w0.508: U3.13 271.15,59.05 270.24,58.15 270.24,54.44 271.15,53.54 271.15,50.17 272.42,48.9 273.69,48.9 274.43,48.15 274.43,30.59 v1(273.05,29.21) ; D24.1 246.65,9.01 R12.2 246.13,10.8 SW52.1 239.04,17.88 SW52.1 239.04,25.68 v1(241.3,27.94)
Net-(D25-K): length 7.7
  Bottom w0.508: D25.1 279.32,85.25 280.04,84.53 280.04,81.28 279.4,80.65 278.06,80.65
Net-(D26-K): length 6.2
  Bottom w0.508: 278.06,76.84 276.86,76.84 276.23,76.2 276.23,74.3 277.02,73.5 D26.1
Net-(D27-K): length 2.1
  Bottom w0.508: D27.1 273.12,73.57 U4.8
Net-(D28-K): length 8.5
  Bottom w0.508: D28.1 272.57,85.25 271.15,83.82 271.15,80.01 271.78,79.38 U4.11
Net-(D29-K): length 102.5
  Top w0.508: v1(276.49,81.92) 277.13,81.28 277.13,77.73 269.47,70.08 262.48,70.08 261.09,68.68 247.14,68.68 246.81,69.02 245.11,69.02 243.91,70.22 v1(240.03,70.22)
  Bottom w0.508: 219.99,40.01 219.99,36.93 SW53.1 227.08,29.84 R13.2 227.6,28.06 226.85,27.31 ; v1(240.03,70.22) 240.03,66.82 233.68,60.47 233.68,53.69 SW53.1 ; 278.06,81.92 v1(276.49,81.92)
Net-(D30-K): length 324.9
  Top w0.508: v1(36.83,80.65) 42.68,80.65 44.7,82.67 49.48,82.67 50.23,81.93 66.1,81.93 66.97,82.79 160.86,82.79 160.89,82.77 164.49,82.77 165.29,83.57 206.11,83.57 207.36,84.81 238.92,84.81 241.44,82.28 260.65,82.28 261.8,83.43 264.17,83.43 268.22,79.38 274.95,79.38 276.22,78.11 v1(276.23,78.11)
  Bottom w0.508: 278.06,78.11 v1(276.23,78.11) ; D30.1 43.97,9.05 44.72,9.8 R14.2 43.72,10.8 SW54.1 ; SW54.1 35.56,22.03 35.56,79.38 v1(36.83,80.65) ; 36.73,20.96 36.73,17.88 41.27,13.34
